# Altium PCB BLDC_DRV_F1.PcbDoc
Units mil, origin at the board's own origin, x right, y up, seen from the top; angles counter-clockwise.
Board outline 3937.01 x 2433 mil, 2 copper layers (Top Layer, Bottom Layer); 138 components, 109 nets, 418 pads, 205 vias.
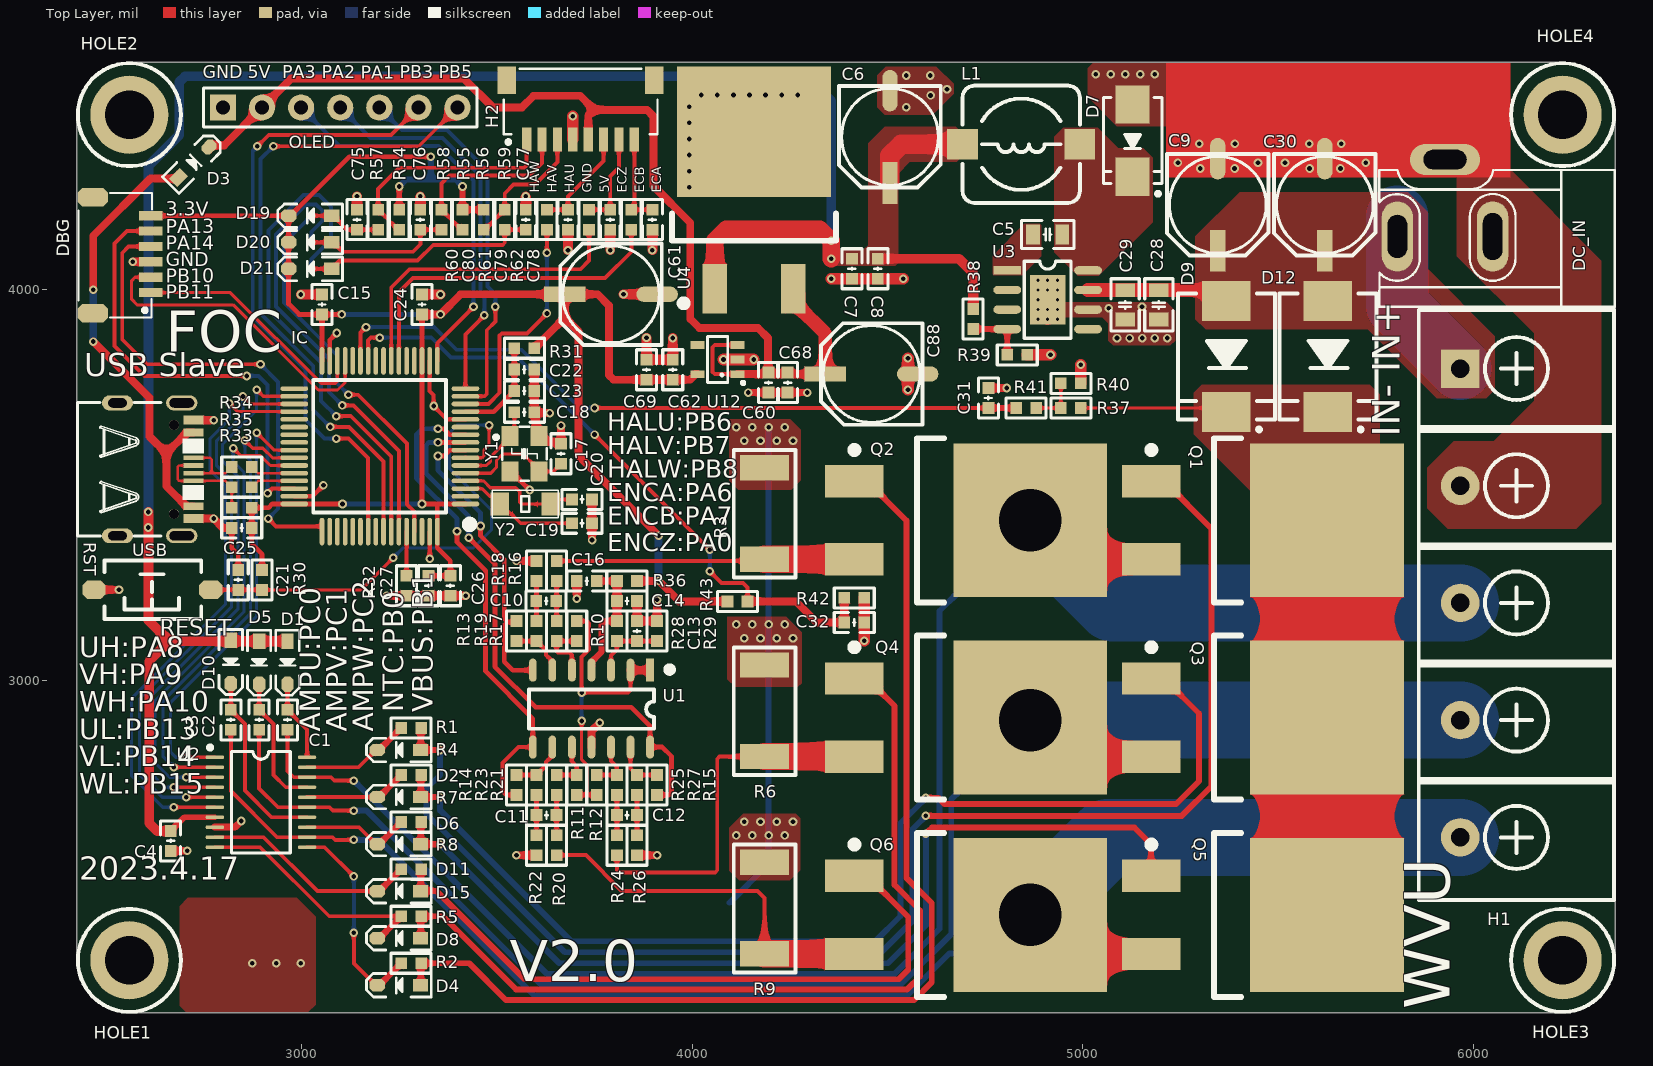
[diagram p0: Top Layer view]
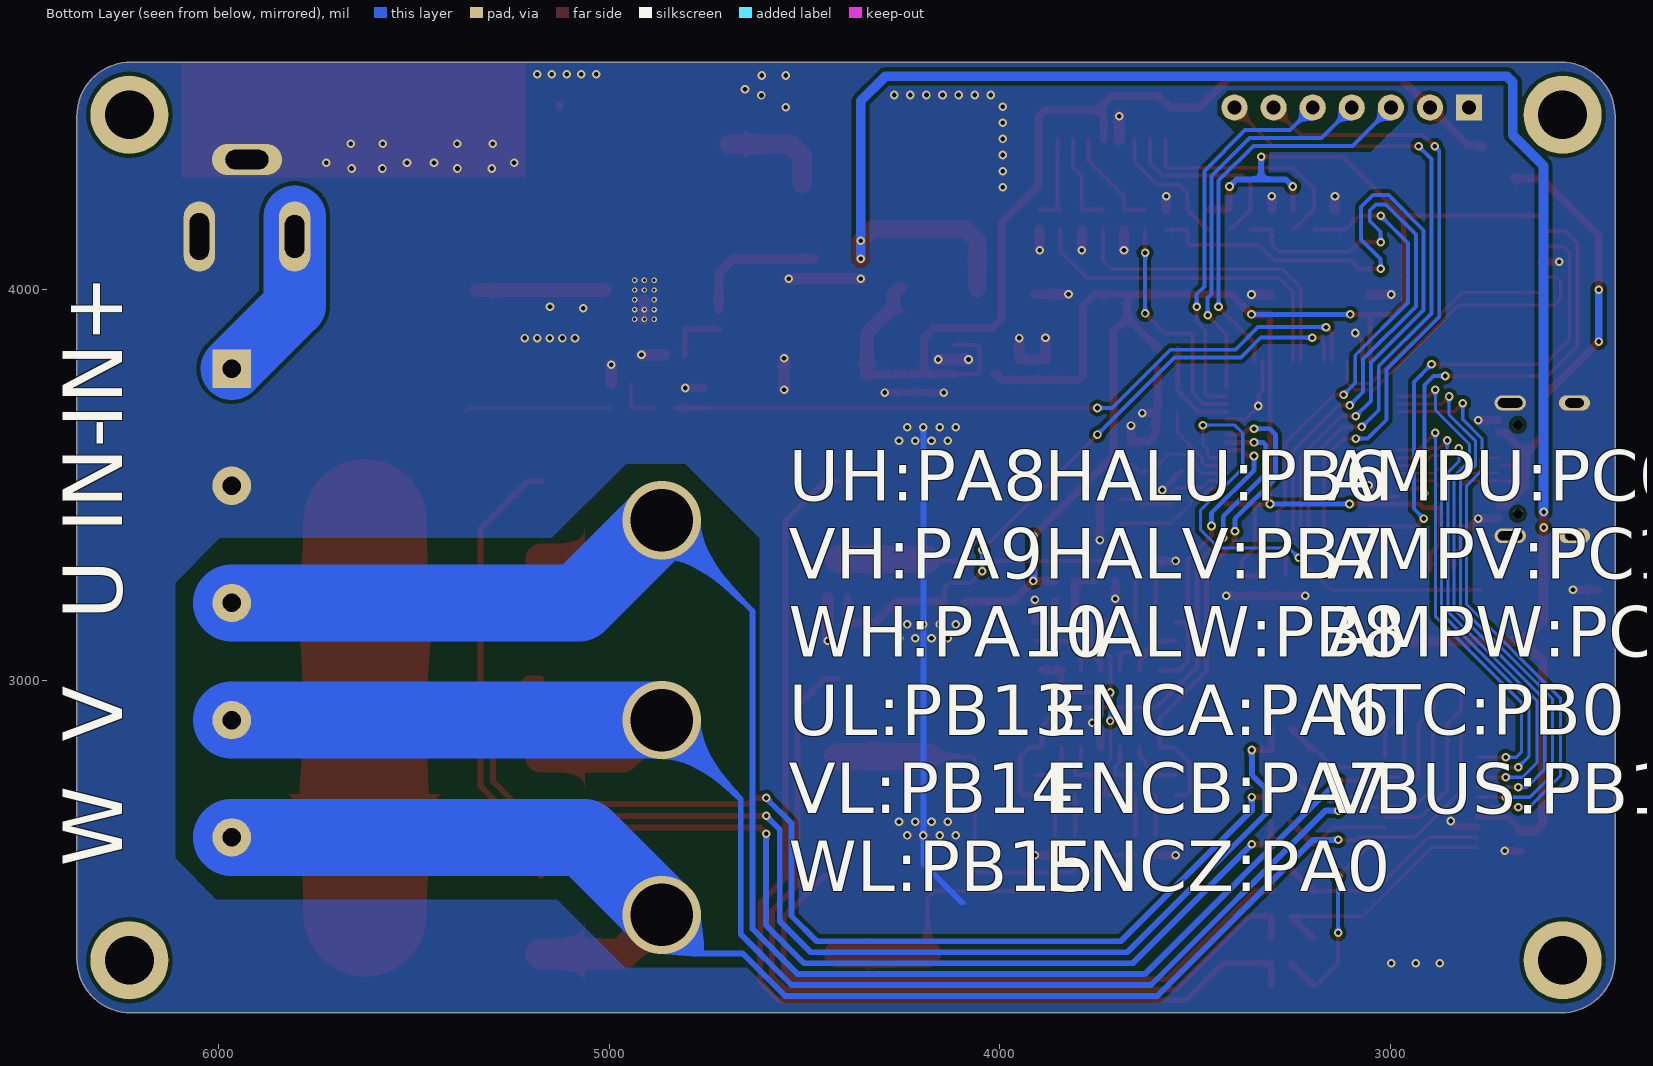
[diagram p1: Bottom Layer view, seen from below]

## Layer stack, top to bottom
Top Solder: solder mask 0.4, Solder Resist, Dk 3.5
Top Layer: signal copper 1.4
Dielectric 1: dielectric 12.6, FR-4, Dk 4.8
Bottom Layer: signal copper 1.4
Bottom Solder: solder mask 0.4, Solder Resist, Dk 3.5

## Board outline
2425,2287.8 2425,4445.2 cw(c2562.8,4445.2) 2562.8,4583 6224.21,4583 cw(c6224.21,4445.2) 6362.01,4445.2 6362.01,2287.8 cw(c6224.21,2287.8) 6224.21,2150 2562.8,2150 cw(c2562.8,2287.8)

## Design rules (kind name [scope] priority, off if disabled: settings)
Clearance [All] p1: gap=10 ignorepadtopadclearanceinfootprint=FALSE except(0: Arc-Hole Track-Hole SMDPad-Hole THPad-Hole Via-Hole Fill-Hole Poly-Hole Region-Hole Text-Hole; 2: Arc-SMDPad Track-SMDPad SMDPad-SMDPad; 5: Arc-Track Track-Track)
DiffPairsRouting [All] p1: maxlimit=6 minlimit=6 mostfreqgap=6 toplayer_minwidth=6 toplayer_maxwidth=6 toplayer_prefwidth=6 bottomlayer_minwidth=6 bottomlayer_maxwidth=6 bottomlayer_prefwidth=6 maxuncoupledlength=500
HoleToHoleClearance [All] p1: gap=5 allowstackedmicrovias=TRUE
MinimumSolderMaskSliver [All] p1: minsoldermaskwidth=3
PlaneConnect [All] p1: planeconnectstyle=Direct reliefexpansion=20 reliefentries=4 reliefconductorwidth=10 reliefairgap=10
PolygonConnect [All] p1: connectstyle=Direct reliefconductorwidth=10 reliefentries=4 polygonreliefangle="90 Angle" airgapwidth=10
RoomDefinition BLDC_DRV_F1 [InComponentClass('BLDC_DRV_F1')] p1: confinementstyle=ConfineIn formatcopy=TRUE lockcomponents=FALSE outline 0,0 2000,0 2000,1000 0,1000
RoutingVias [All] p1: holewidth=12 width=22 viastyle="Through Hole" minholewidth=12 minwidth=22 maxholewidth=200 maxwidth=500
SilkToSilkClearance [All] p1: silktosilkclearance=2
SilkToSolderMaskClearance [IsPad] p1 off: minsilkscreentomaskgap=10 clearancetoexposedcopper=TRUE
SolderMaskExpansion [All] p1: expansion=4 istentingtop=FALSE
Width [All] p1: maxlimit=500 minlimit=6 preferedwidth=10 minimp=50.000000 maximp=50.000000 favimp=50.000000
24 further rules are at their usual default settings.

## Classes and differential pairs
differential pair USB: +USB_P -USB_N

## Components (designator, comment, footprint, x,y, rotation, side; value= is the part's Value field where it differs from the comment)
C1 "10uF/50V" "C 0603_L" 2964,2899.75 r90 top
C2 "10uF/50V" "C 0603_L" 2891.5,2899.75 r90 top
C3 "10uF/50V" "C 0603_L" 2819,2899.75 r90 top
C4 "100nF" "C 0603_L" 2665,2590 r90 top
C5 "0.01uF/50V" "C 0805_L" 4909.65,4142 r180 top
C6 "470uF/25V" "CM D(6.3*7.7)" 4506,4392 r270 top
C7 "2.2uF/25V" "C 0603_L" 4408.66,4054.41 r90 top
C8 "0.1uF/25V" "C 0603_L" 4475,4054.41 r90 top
C9 "47uF/50V" "CM D(6.3*7.7)" 5345,4218 r270 top
C10 "100nF" "C 0603_L" 3626,3204 r180 top
C11 "100nF" "C 0603_L" 3627,2656 r180 top
C12 "100nF" "C 0603_L" 3833,2656.01 r0 top
C13 "100nF" "C 0603_L" 3858.56,3127 r90 top
C14 "100nF" "C 0603_L" 3833,3204.01 r0 top
C15 "100nF" "C 0603_L" 3052.36,3963 r90 top
C16 "10uF" "C 0603_L" 3730,3255 r180 top
C17 "22pF" "C 0603_L" 3664,3581 r270 top
C18 "22pF" "C 0603_L" 3570.23,3687 r180 top
C19 "6pF" "C 0603_L" 3718,3403 r180 top
C20 "6pF" "C 0603_L" 3718,3464 r180 top
C21 "100nF" "C 0603_L" 2838,3258 r90 top
C22 "10uF" "C 0603_L" 3570.23,3796.34 r0 top
C23 "100nF" "C 0603_L" 3570.23,3741.67 r0 top
C24 "100nF" "C 0603_L" 3308.26,3963 r90 top
C25 "100nF" "C 0603_L" 2847,3391 r180 top
C26 "100nF" "C 0603_L" 3381,3243 r270 top
C27 "100nF" "C 0603_L" 3324.95,3243 r270 top
C28 "2.2uF/50V" "C 0805_L" 5194,3962 r90 top
C29 "0.1uF/50V" "C 0805_L" 5108,3962 r90 top
C30 "47uF/50V" "CM D(6.3*7.7)" 5619,4218 r270 top
C31 "100nF" "C 0603_L" 4758,3723.58 r270 top
C32 "100nF" "C 0603_L" 4414.59,3149 r180 top
C60 "100nF" "C 0603_L" 4195,3763 r270 top
C61 "470uF/10V" "CM D(6.3*7.7)" 3792,3989 r180 top
C62 "10uF" "C 0603_L" 3950,3796 r90 top
C68 "10uF" "C 0603_L" 4244,3763 r270 top
C69 "100nF" "C 0603_L" 3883,3796 r90 top
C75 "100nF" "C 0603_L" 3142,4180.01 r90 top
C76 "100nF" "C 0603_L" 3304,4180.01 r90 top
C77 "100nF" "C 0603_L" 3574,4180.01 r90 top
C78 "100nF" "C 0603_L" 3898,4180 r270 top
C79 "100nF" "C 0603_L" 3790,4180 r270 top
C80 "100nF" "C 0603_L" 3682,4180 r270 top
C88 "470uF/25V" "CM D(6.3*7.7)" 4459,3785 r180 top
D1 "DSK110" SOD-323 2964,3045.94 r270 top
D2 "1N4148" SOD-323 3249.27,2822.68 r180 top
D3 "1N4148" SOD-323 2724,4327 r45 top
D4 "1N4148" SOD-323 3249.27,2220.4 r180 top
D5 "DSK110" SOD-323 2891.5,3045.94 r270 top
D6 "1N4148" SOD-323 3249.27,2702.22 r180 top
D7 "B540C" SMB 5127,4382.27 r270 top
D8 "1N4148" SOD-323 3249.27,2340.85 r180 top
D9 "SS520" SMC 5367,3830 r270 top
D10 "DSK110" SOD-323 2819,3047.94 r270 top
D11 "1N4148" SOD-323 3249.27,2581.76 r180 top
D12 "SS520" SMC 5627,3830 r270 top
D15 "1N4148" SOD-323 3249.27,2461.31 r180 top
D19 "1N4148" SOD-323 3021.88,4190 r180 top
D20 "1N4148" SOD-323 3021.88,4122 r180 top
D21 "1N4148" SOD-323 3021.88,4054 r180 top
DBG "SH1.0-6P" SH1.0_6P 2539.87,4089 r90 top
DC_IN "POWER" DC10B 6223.71,4307 r180 top
H1 "HT5.08" KF7620-5P 6109.51,3199 r270 top
H2 "HT5.08" "SH1.0 S-W-8P" 3714,4461 r180 top
HOLE1 "HOLE" M3 2559.39,2284.39 r0 top value=3.0mm
HOLE2 "HOLE" M3 2559.39,4448.61 r0 top value=3.0mm
HOLE3 "HOLE" M3 6227.62,2284.39 r0 top value=3.0mm
HOLE4 "HOLE" M3 6227.62,4448.61 r0 top value=3.0mm
IC "STM32F103RCT6" LQFP64-10*10 3200,3600 r90 top locked
L1 "15uH" CDRH73 4842,4373 r180 top
OLED "Header 7" HDR2.54-M-LI-7P 3099,4467 r0 top
Q1 "IRFS3607PBF" TO263-3B 5625,3410.57 r270 top
Q2 "IRFS3607PBF" TO263-3B 4865,3410.57 r270 top
Q3 "IRFS3607PBF" TO263-3B 5625,2905.57 r270 top
Q4 "IRFS3607PBF" TO263-3B 4865,2905.57 r270 top
Q5 "IRFS3607PBF" TO263-3B 5625,2400.57 r270 top
Q6 "IRFS3607PBF" TO263-3B 4865,2400.57 r270 top
R1 "10R" "R 0603_L" 3280.59,2879 r0 top
R2 "10R" "R 0603_L" 3280.59,2276.72 r0 top
R3 "20mR" "R 2512_L" 4185,3429 r270 top
R4 "10R" "R 0603_L" 3280.59,2758.54 r0 top
R5 "10R" "R 0603_L" 3280.59,2397.17 r0 top
R6 "20mR" "R 2512_L" 4185,2924 r270 top
R7 "10R" "R 0603_L" 3280.59,2638.09 r0 top
R8 "10R" "R 0603_L" 3280.59,2517.63 r0 top
R9 "20mR" "R 2512_L" 4185,2419 r270 top
R10 "15K" "R 0603_L" 3704.28,3127 r90 top
R11 "15K" "R 0603_L" 3704.29,2733 r270 top
R12 "15K" "R 0603_L" 3755.71,2733 r270 top
R13 "15K" "R 0603_L" 3549.99,3127 r90 top
R14 "15K" "R 0603_L" 3550,2733 r270 top
R15 "15K" "R 0603_L" 3910,2733 r270 top
R16 "1K" "R 0603_L" 3652.86,3281 r270 top
R17 "1K" "R 0603_L" 3652.86,3126.99 r270 top
R18 "1K" "R 0603_L" 3601.43,3281 r270 top
R19 "1K" "R 0603_L" 3601.43,3126.99 r270 top
R20 "1K" "R 0603_L" 3652.85,2579 r90 top
R21 "1K" "R 0603_L" 3652.85,2733.01 r90 top
R22 "1K" "R 0603_L" 3601.42,2579 r90 top
R23 "1K" "R 0603_L" 3601.42,2733.01 r90 top
R24 "1K" "R 0603_L" 3807.14,2579 r90 top
R25 "1K" "R 0603_L" 3807.14,2733.01 r90 top
R26 "1K" "R 0603_L" 3858.56,2579 r90 top
R27 "1K" "R 0603_L" 3858.56,2733.01 r90 top
R28 "4.7K" "R 0603_L" 3807.14,3126.99 r270 top
R29 "4.7K" "R 0603_L" 3909.99,3127 r90 top
R30 "10K" "R 0603_L" 2899,3258 r90 top
R31 "10R" "R 0603_L" 3570.23,3851 r180 top
R32 "10K" "R 0603_L" 3268.9,3243 r270 top
R33 "1.5K" "R 0603_L" 2847,3443 r0 top
R34 "10R" "R 0603_L" 2847,3547 r0 top
R35 "10R" "R 0603_L" 2847,3495 r0 top
R36 "10R" "R 0603_L" 3832.99,3255.41 r180 top
R37 "120K" "R 0603_L" 4969,3698 r0 top
R38 "10K" "R 0603_L" 4719,3925.59 r270 top
R39 "3.16K" "R 0603_L" 4831.89,3834 r180 top
R40 "10K" "R 0603_L" 4969,3761 r0 top
R41 "1K" "R 0603_L" 4854.59,3698 r0 top
R42 "10K" "R 0603_L" 4414.59,3212 r180 top
R43 "NCP18XH103F03RB" "R 0603_L" 4116,3203 r180 top
R54 "10K" "R 0603_L" 3250,4180.01 r90 top
R55 "10K" "R 0603_L" 3412,4180.01 r90 top
R56 "10K" "R 0603_L" 3466,4180.01 r90 top
R57 "1K" "R 0603_L" 3196,4180 r270 top
R58 "1K" "R 0603_L" 3358,4180 r270 top
R59 "1K" "R 0603_L" 3520,4180 r270 top
R60 "1K" "R 0603_L" 3628,4180 r270 top
R61 "1K" "R 0603_L" 3736,4180 r270 top
R62 "1K" "R 0603_L" 3844,4180 r270 top
RST "KEY" "TSW SMD-3*6*2.5" 2618,3232.8 r180 top
U1 "MCP6024" SOP14_L 3742,2928.57 r270 top locked
U2 "FD6288" TSSOP20_L 2896,2689 r0 top
U3 "TPS5450" SOP8_G 4909.65,3975 r0 top
U4 "CJ7805" TO263_3B 4158,4180.49 r0 top
U12 "RT9193-3.3" SOT23-5L 4065,3822 r90 top
USB "USB TypeC" "USB Type-C" 2625.88,3540.94 r270 top
Y1 "8Mhz" XTAL-3225 3570.6,3580.72 r270 top
Y2 "32.768K" "OSC 3215-2P" 3572.51,3452 r0 top

## Footprints (in the part's own frame and the unit in brackets; to place one, negate y for a bottom-side part, rotate by r counter-clockwise, add the part's x,y. Pads: shape width x height; smd on the part's side, far side on the other; paste and mask are expansions set on the pad)
"C 0603_L" [mil] "无极性贴片电容"
  rect 30x30 smd: 1(-25.59,0) 2(25.59,0)
  silkscreen extent -51,-26 51,26, body extent -31,-16 31,16, height 32
"C 0805_L" [mil] "无极性贴片电容"
  rect 35x50 smd: 1(-37.4,0) 2(37.4,0)
  silkscreen extent -67,-36 67,36, body extent -39,-24 39,24, height 20
CDRH73 [mm] "7.3*7.3*3.4mm（长宽高）"
  rect 2x2 smd: 1(-3.81,0) 2(3.81,0)
  silkscreen extent -3.81,-3.81 3.81,3.81, body extent -3.65,-3.65 3.65,3.65, height 3.65
"CM D(6.3*7.7)" [mm] "贴片电解电容，直径6.3mm，高7.7mm"
  rect 2.7x1 smd: 1(3,0)
  oval 2.7x1 smd: 2(-3,0)
  silkscreen extent -3.3,-3.3 3.3,3.3, body extent -3.5,-3.3 3.5,3.3, height 7.7
DC10B [mil]
  oval 80x180 hole 50 slot 110 at 90 deg: 1(419.09,170)
  oval 80x180 hole 50 slot 120 at 90 deg: 2(175,170)
  oval 180x80 hole 50 slot 110 at 0 deg: 3(297.05,-26.85)
  silkscreen extent -138,0 465,350, body extent -131,-18 422,348, height 441
HDR2.54-M-LI-7P [mm] "排母，7脚"
  rect 1.7x1.7 hole 0.9: 1(-7.62,0)
  round 1.7 hole 0.9: 2(-5.08,0) 3(-2.54,0) 4(0,0) 5(2.54,0) 6(5.08,0) 7(7.62,0)
  silkscreen extent -8.89,-1.27 8.89,1.27, body extent -8.89,-1.27 8.89,1.27, height 8.5
KF7620-5P [mm] "38.1*12*12mm(长宽高)"
  rect 2.5x2.5 hole 1.2: 1(-15.24,-3.65)
  round 2.5 hole 1.2: 2(-7.62,-3.65) 3(0,-3.65) 4(7.62,-3.65) 5(15.24,-3.65)
  silkscreen extent -19.05,-6.35 19.3,6.35, body extent -19.05,-6.2 19.75,6.2, height 12.45
LQFP64-10*10 [mm] "10x10mm，0.5mm（蒜米工坊）"
  oval 0.3x1.8 smd: 1(-3.75,-5.575) 2(-3.25,-5.575) 3(-2.75,-5.575) 4(-2.25,-5.575) 5(-1.75,-5.575) 6(-1.25,-5.575) 7(-0.75,-5.575) 8(-0.25,-5.575) 9(0.25,-5.575) 10(0.75,-5.575) 11(1.25,-5.575) 12(1.75,-5.575) 13(2.25,-5.575) 14(2.75,-5.575) 15(3.25,-5.575) 16(3.75,-5.575) 33(3.75,5.55) 34(3.25,5.55) 35(2.75,5.55) 36(2.25,5.55) 37(1.75,5.55) 38(1.25,5.55) 39(0.75,5.55) 40(0.25,5.55) 41(-0.25,5.55) 42(-0.75,5.55) 43(-1.25,5.55) 44(-1.75,5.55) 45(-2.25,5.55) 46(-2.75,5.55) 47(-3.25,5.55) 48(-3.75,5.55)
  oval 1.8x0.3 smd: 17(5.55,-3.75) 18(5.55,-3.25) 19(5.55,-2.75) 20(5.55,-2.25) 21(5.55,-1.75) 22(5.55,-1.25) 23(5.55,-0.75) 24(5.55,-0.25) 25(5.55,0.25) 26(5.55,0.75) 27(5.55,1.25) 28(5.55,1.75) 29(5.55,2.25) 30(5.55,2.75) 31(5.55,3.25) 32(5.55,3.75) 49(-5.55,3.75) 50(-5.55,3.25) 51(-5.55,2.75) 52(-5.55,2.25) 53(-5.55,1.75) 54(-5.55,1.25) 55(-5.55,0.75) 56(-5.55,0.25) 57(-5.55,-0.25) 58(-5.55,-0.75) 59(-5.55,-1.25) 60(-5.55,-1.75) 61(-5.55,-2.25) 62(-5.55,-2.75) 63(-5.55,-3.25) 64(-5.55,-3.75)
  silkscreen extent -5.33,-6.09 4.32,4.32, body extent -6,-6 6,6, height 1.45
M3 [mil]
  round 200 hole 125: 1(0,0)
  silkscreen extent -132,-132 132,132, body extent -110,-110 110,110, height 96
"OSC 3215-2P" [mm] "3.2*1.5*0.6mm(长宽高)"
  rect 1.2x1.5 smd: 1(-1.65,0) 2(1.65,0)
  silkscreen extent -2.16,-0.89 2.16,0.89, body extent -1.6,-0.75 1.6,0.75, height 0.61
"R 0603_L" [mil] "1/10W贴片电阻"
  rect 30x30 smd: 1(-25.59,0) 2(25.59,0)
  silkscreen extent -51,-26 51,26, body extent -31,-16 32,16, height 16
"R 2512_L" [mm] "1W贴片电阻"
  rect 1.65x3.2 smd: 1(-2.95,0) 2(3,0)
  silkscreen extent -4.1,-2 4.2,2, body extent -3.2,-1.6 3.2,1.6, height 0.55
"SH1.0 S-W-8P" [mm] "SH1.0MM间距卧贴连接座子"
  rect 1.2x1.8 smd: 0(-4.8,-1.925) 0(4.8,-1.925)
  rect 0.6x1.55 smd: 1(3.5,1.925) 2(2.5,1.925) 3(1.5,1.925) 4(0.5,1.925) 5(-0.5,1.925) 6(-1.5,1.925) 7(-2.5,1.925) 8(-3.5,1.925)
  silkscreen extent -5,-2.67 5,2.21, body extent -5,-2.67 5,2.28, height 2.92
SH1.0_6P [mm]
  rect 0.6x1.55 smd: 1(-2.432,-1.88) 2(-1.432,-1.88) 3(-0.432,-1.88) 4(0.568,-1.88) 5(1.568,-1.88) 6(2.568,-1.88)
  oct 1.2x2 smd: A(-3.778,1.88) B(3.778,1.88)
  silkscreen extent -4.06,-1.96 4.05,2.82, body extent -3.93,-2.51 4.07,2.44, height 2.9
SMB [mm] "4.7*3.9*2.2mm(长宽高，不包括引脚）"
  rect 2.5x2.2 smd: 1(-2.35,0) 2(2.35,0)
  silkscreen extent -2.8,-1.9 3.57,1.9, body extent -2.63,-1.8 2.67,1.8, height 2.35
SMC [mm] "7.1x5.9*2.3mm（长宽高，不包括引脚）"
  rect 2.6x3.15 smd: 1(-3.6,0) 2(3.6,0)
  silkscreen extent -4.1,-3.15 4.87,3.15, body extent -3.95,-2.9 3.95,2.9, height 2.45
SOD-323 [mm] "1.8x1.3X0.9mm（长宽高，不包括引脚）"
  rect 1x0.8 smd: 1(-1.4,0)
  oct 1x0.8 smd: 2(1.4,0)
  silkscreen extent -2.11,-0.76 2.11,0.76, body extent -1.34,-0.63 1.31,0.67, height 1
SOP8_G [mm]
  rect 1.8x0.55 smd: 1(-2.625,1.905)
  oval 1.8x0.55 smd: 2(-2.625,0.635) 3(-2.625,-0.635) 4(-2.625,-1.905) 5(2.625,-1.905) 6(2.625,-0.635) 7(2.625,0.635) 8(2.625,1.905)
  rect 2.3x3.2 smd: 9(0,0)
  silkscreen extent -1.52,-2.5 1.52,2.5, body extent -3,-2.5 3,2.5, height 1.9
SOP14_L [mm] "8.7*6.2*1.8mm（长宽高）"
  rect 1.5x0.5 smd: 1(-2.5,3.81)
  oval 1.5x0.5 smd: 2(-2.5,2.54) 3(-2.5,1.27) 4(-2.5,0) 5(-2.5,-1.27) 6(-2.5,-2.54) 7(-2.5,-3.81) 8(2.5,-3.81) 9(2.5,-2.54) 10(2.5,-1.27) 11(2.5,0) 12(2.5,1.27) 13(2.5,2.54) 14(2.5,3.81)
  silkscreen extent -2.69,-4.06 1.31,5.23, body extent -3,-4.35 3,4.35, height 1.9
SOT23-5L [mm] "3x1.6x1.1mm(长宽高)"
  rect 0.5x0.9 smd: 1(-0.95,-1.3) 2(0,-1.3) 3(0.95,-1.3) 4(0.95,1.3) 5(-0.95,1.3)
  silkscreen extent -1.6,-1.73 1.5,0.66, body extent -1.5,-1.4 1.5,1.4, height 1.15
TO263-3B [mm] "263，3脚晶体管"
  rect 2.1x3.8 smd: 1(-2.54,-11.45) 3(2.54,-11.45)
  rect 10x10 smd: 2(0,0)
  silkscreen extent -5.33,-11.63 5.33,-5.59, body extent -5,-11.46 5,3.47, height 4.5
TO263_3B [mm]
  rect 1.6x3.2 smd: 1(-2.54,-4.5) 3(2.54,-4.5)
  rect 10x8.5 smd: 2(0,5.7)
  silkscreen extent -5.33,-5.65 5.33,0.39, body extent -5,-5.48 5,9.45, height 4.5
TSSOP20_L [mm] "6.5*6.4*1（长宽高）"
  oval 1.2x0.25 smd: 1(-3,2.925) 2(-3,2.275) 3(-3,1.625) 4(-3,0.975) 5(-3,0.325) 6(-3,-0.325) 7(-3,-0.975) 8(-3,-1.625) 9(-3,-2.275) 10(-3,-2.925) 11(3,-2.925) 12(3,-2.275) 13(3,-1.625) 14(3,-0.975) 15(3,-0.325) 16(3,0.325) 17(3,0.975) 18(3,1.625) 19(3,2.275) 20(3,2.925)
  silkscreen extent -3.43,-3.3 1.91,3.69, body extent -3.2,-3.25 3.2,3.25, height 1.03
"TSW SMD-3*6*2.5" [mm]
  oct 1.5x1.2 smd: 1(-3.8,0) 2(3.8,0)
  silkscreen extent -3.18,-1.89 3.12,1.91, body extent -3.97,-1.74 4.03,1.76, height 2.59
"USB Type-C" [mm] "USB Type-C 12P/16P"
  rect 0.6x1.3 smd mask+0.064: 1(-3.2,2.462) 12(3.2,2.462)
  rect 0.508x1.3 smd mask+0.064: 2(-2.4,2.462) 11(2.4,2.462)
  rect 0.3x1.3 smd mask+0.064: 5(-0.75,2.462) 6(-0.25,2.463) 7(0.25,2.463) 8(0.75,2.462)
  oval 0.965x2.032 hole 0.6 slot 1.6 at 90 deg: SH1(-4.32,1.718) SH3(4.32,1.717)
  oval 0.965x2.032 hole 0.6 slot 1.2 at 90 deg: SH2(-4.32,-2.462) SH4(4.32,-2.462)
  round 0.65 hole 0.65 unplated mask+0: ""(-2.89,1.218) ""(2.89,1.218)
  silkscreen extent -4.34,-5.07 4.32,3.18, body extent -4.47,-5.04 4.47,2.86, height 3.2
XTAL-3225 [mm]
  rect 1.3x1.1 smd: 1(-1.15,-0.95) 2(1.15,-0.95) 3(1.15,0.95) 4(-1.15,0.95)
  silkscreen extent -1.75,-1.97 1.75,1.45, body extent -1.6,-1.24 1.6,1.26, height 0.8

## Part data
C1 C2 C3 C4 C5 C7 C8 C10 C11 C12 C13 C14 C15 C16 C17 C18 C19 C20 C21 C22 C23 C24 C25 C26 C27 C28 C29 C31 C32 C60 C62 C68 C69 C75 C76 C77 C78 C79 C80: library part C, "无极性贴片电容"
  C1 C2 C3 C5 C7 C8 C10 C11 C12 C13 C14 C16 C17 C18 C19 C20 C21 C22 C23 C24 C25 C26 C27 C28 C29 C31 C32 C75 C76 C77 C78 C79 C80: BOM名称=无极性贴片电容
  C4 C15: BOM名称=无极性贴片电容, 学习资源=www.ooocke.com, 版权归属=源创客
C6 C9 C30 C61 C88: library part C-CM, "贴片电解电容", BOM名称=贴片电解电容
D1 D2 D3 D4 D5 D6 D8 D10 D11 D15 D19 D20 D21: library part D, "二极管"
D7: library part D-ZMM3V6, "TVS二极管"
D9 D12: library part DIODE, "整流二极管"
DBG: library part HEAD6
DC_IN: library part P-DC, "低压电源接口"
H1: library part Header_5P, "端子"
H2: library part Header_8P, "端子"
HOLE1 HOLE2 HOLE3 HOLE4: "螺丝焊盘"
IC: library part STM32F103RDT6
L1: library part L-CDRH, "功率屏蔽电感", BOM名称=功率屏蔽电感
OLED: "Header, 7-Pin", LatestRevisionDate=17-Jul-2002, LatestRevisionNote="Re-released for DXP Platform.", Publisher="Altium Limited"
Q1 Q2 Q3 Q4 Q5 Q6: "NMOS 75V+80A 7.4mΩ", BOM名称=N沟场效应管
R1 R2 R3 R4 R5 R6 R7 R8 R9 R10 R11 R12 R13 R14 R15 R16 R17 R18 R19 R20 R21 R22 R23 R24 R25 R26 R27 R28 R29 R30 R31 R32 R33 R34 R35 R36 R37 R38 R39 R40 R41 R42 R54 R55 R56 R57 R58 R59 R60 R61 R62: library part R, "贴片电阻"
R43: library part R_NTC, "热敏电阻"
RST: "按键", BOM名称=3x6轻触开关
U3: "降压电源芯片"
U4: "7805 5V"
U12: library part "LDO RT9193", "LDO"
USB: library part "USB 2.0 Type C", "12P TypeC 母座"
Y1: library part XTAL_3225, "3225贴片无源晶振"
Y2: library part XTAL, "Crystal Oscillator", LatestRevisionDate=17-Jul-2002, LatestRevisionNote="Re-released for DXP Platform.", Published=8-Jun-2000, Publisher="Altium Limited"

## Via types
v1: diameter 22, hole 12, Top Layer to Bottom Layer, tented both sides, 172 vias
v2: diameter 22, hole 12, Top Layer to Bottom Layer, 16 vias
v3: diameter 14, hole 8, Top Layer to Bottom Layer, tented both sides, 14 vias
v4: diameter 200, hole 160, Top Layer to Bottom Layer, 3 vias
